# Altium PCB ANTS-PCU-B1.PCBDOC (part 1 of 3) (continued)
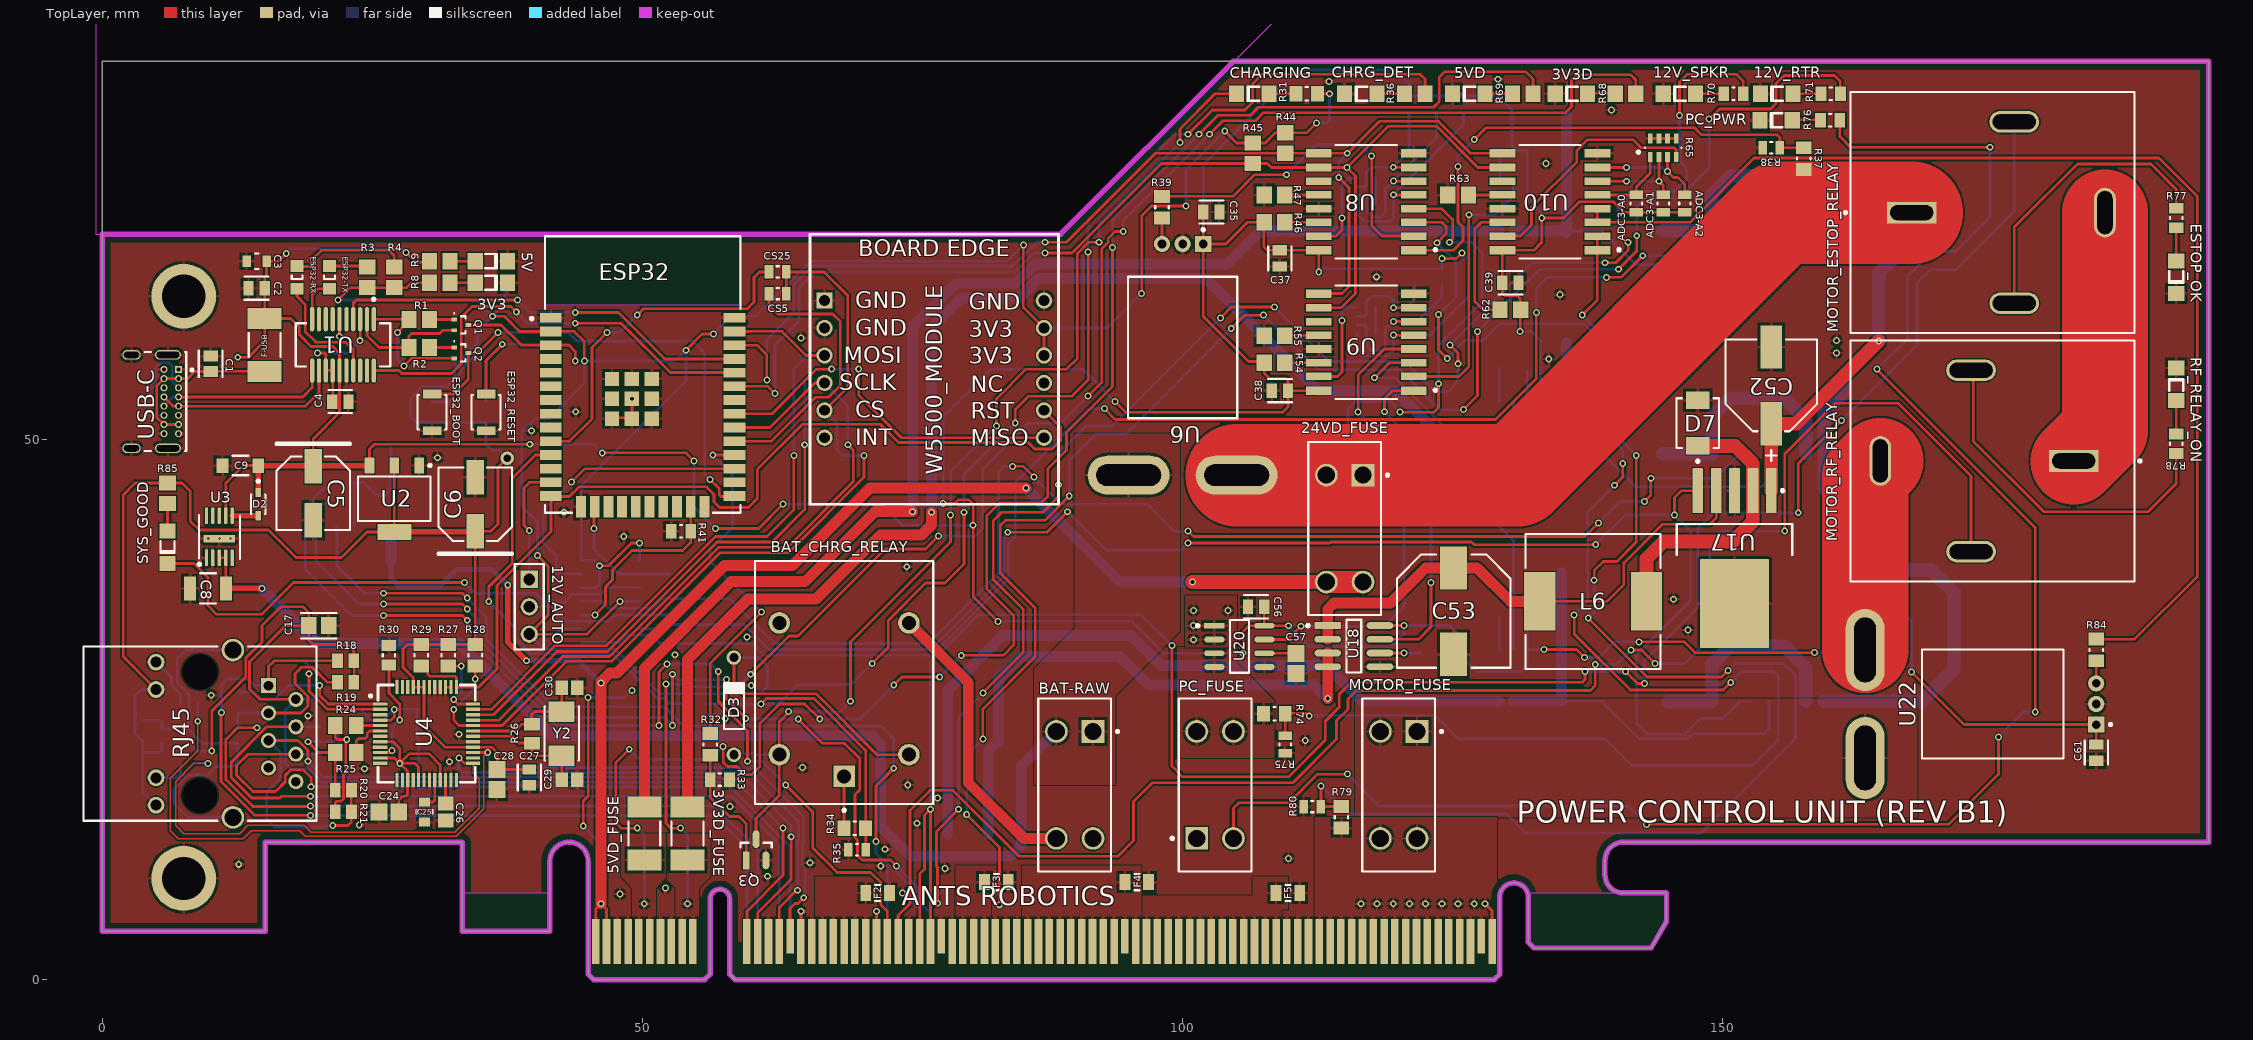
[diagram p0: TopLayer view]
## Components (designator, comment, footprint, x,y, rotation, side; value= is the part's Value field where it differs from the comment) (continued)
PC_PWR "150120YS75000" 1206_A 154.95,79.55 r0 top
Q1 "MMBT2222ATT1G" ONSC-SC-75-3-463-01_V 33.2,60.6 r0 top
Q2 "MMBT2222ATT1G" ONSC-SC-75-3-463-01_V 33.2,58 r0 top
Q3 "MMBT2222A-7-F" FP-SOT23-IPC_A 60.5,12 r90 top
R1 "10K 5% 0805" RESC2013X60X40ML20T25 29.3,61.1 r180 top
R2 "10K 5% 0805" RESC2013X60X40ML20T25 29.3,58.5 r180 top
R3 "330R 5% 0805" RESC2013X60X40ML20T25 24.5,65 r90 top
R4 "330R 5% 0805" RESC2013X60X40ML20T25 27,65 r90 top
R8 "1K 5% 0805" RESC2013X60X40ML20T25 31.2,64.5 r180 top
R9 "1K 5% 0805" RESC2013X60X40ML20T25 31.2,66.5 r180 top
R12 "10K 5% 0805" RESC2013X60X40ML20T25 35.5,52.5 r270 bottom
R13 "10K 5% 0805" RESC2013X60X40ML20T25 30.5,52.5 r270 bottom
R16 "330R 5% 0805" RESC2013X60X35LL10T20 8,20 r0 bottom
R17 "330R 5% 0805" RESC2013X60X35LL10T20 8,25.5 r0 bottom
R18 "49R9 1% 0805" RESC2013X60X40LL20T25 22.5,29.5 r0 top
R19 "49R9 1% 0805" RESC2013X60X40LL20T25 22.5,27.5 r0 top
R20 "49R9 1% 0805" RESC2013X60X40LL20T25 22.275,17.5 r180 top
R21 "49R9 1% 0805" RESC2013X60X40LL20T25 22.275,15.5 r180 top
R22 "3R3 1% 0805" RESC2013X70X40ML20T20 12.5,25.6 r90 bottom
R23 "3R3 1% 0805" RESC2013X70X40ML20T20 16.325,29.5 r0 bottom
R24 "3R3 1% 0805" RESC2013X70X40ML20T20 22.5,23.5 r0 top
R25 "3R3 1% 0805" RESC2013X70X40ML20T20 22.5,21 r0 top
R26 "1M 5% 0805" RESC2013X70X40NL20T20 39.75,22.75 r90 top
R27 "4K7 1% 0805" YAGO-RC0805_M 32,30 r90 top
R28 "4K7 1% 0805" YAGO-RC0805_M 34.5,30 r90 top
R29 "4K7 1% 0805" YAGO-RC0805_M 29.5,30 r90 top
R30 "12K4 1% 0805" RESC2013X60X35NL10T20 26.5,30 r270 top
R31 "1K 1% 0805" RESC2013X60X35ML10T20 111.5,82 r180 top
R32 "1K 1% 0805" RESC2013X60X35ML10T20 56.25,21.75 r270 top
R33 "10K 1% 0805" RESC2013X60X35NL10T20 57.15,18.5 r180 top
R34 "100K 1% 0805" RESC2013X60X35ML10T20 69.65,14 r180 top
R35 "14K 1% 0805" RESC2013X60X35LL10T20 69.85,12 r0 top
R36 "1K 5% 0805" RESC2013X60X40ML20T25 121.5,82 r0 top
R37 "100K 1% 0805" RESC2013X60X35ML10T20 157.5,76 r270 top
R38 "14K 1% 0805" RESC2013X60X35LL10T20 154.5,77 r0 top
R39 "1K 1% 0805" RESC2013X60X35ML10T20 98.09,71.5 r90 top
R40 "10K 1% 0805" RESC2013X60X35NL10T20 42,36.65 r90 bottom
R41 "10K 1% 0805" RESC2013X60X35NL10T20 53.545,41.5 r0 top
R42 "10K 1% 0805" RESC2013X60X35NL10T20 52.5,32.83 r90 bottom
R43 "10K 1% 0805" RESC2013X60X35NL10T20 52.5,38.45 r270 bottom
R44 "10K 5% 0805" RESC2013X60X40ML20T25 109.5,77.445 r90 top
R45 "10K 5% 0805" RESC2013X60X40ML20T25 106.5,76.5 r90 top
R46 "1K 5% 0805" RESC2013X60X40ML20T25 108.5,70.1 r180 top
R47 "10K 5% 0805" RESC2013X60X40ML20T25 108.5,72.635 r180 top
R49 "742C083103JP" FP-742C083-MFG 117,73 r90 bottom
R54 "1K 5% 0805" RESC2013X60X40ML20T25 108.5,57.1 r180 top
R55 "10K 5% 0805" RESC2013X60X40ML20T25 108.5,59.6 r180 top
R57 "742C083103JP" FP-742C083-MFG 117,61 r90 bottom
R62 "1K 5% 0805" RESC2013X60X40ML20T25 130.35,62 r0 top
R63 "10K 5% 0805" RESC2013X60X40ML20T25 125.5,72.635 r180 top
R65 "742C083103JP" FP-742C083-MFG 144.5,77 r0 top
R68 "1K 5% 0805" RESC2013X60X40ML20T25 141,82 r0 top
R69 "1K 5% 0805" RESC2013X60X40ML20T25 131.5,82 r0 top
R70 "10K 1% 0805" RESC2013X60X35NL10T20 151,82 r0 top
R71 "10K 1% 0805" RESC2013X60X35NL10T20 160,82 r0 top
R74 "100K 1% 0805" RESC2013X60X35ML10T20 108.5,24.6 r180 top
R75 "14K 1% 0805" RESC2013X60X35LL10T20 109.5,21.75 r90 top
R76 "10K 1% 0805" RESC2013X60X35NL10T20 159.95,79.55 r180 top
R77 "10K 1% 0805" RESC2013X60X35NL10T20 192,70.5 r90 top
R78 "10K 1% 0805" RESC2013X60X35NL10T20 192,49.6 r270 top
R79 "100K 1% 0805" RESC2013X60X35ML10T20 114.7,15 r270 top
R80 "14K 1% 0805" RESC2013X60X35LL10T20 112,16 r0 top
R81 "0R 1% 0805" RESC2013X60X35LL10T20 22.5,46 r180 bottom
R82 "0R 1% 0805" RESC2013X60X35LL10T20 22.5,44 r180 bottom
R83 "0R 1% 0805" RESC2013X60X35LL10T20 22.5,42 r180 bottom
R84 "1K 1% 0805" RESC2013X60X35ML10T20 184.6,30.5 r90 top
R85 "1K 5% 0805" RESC2013X60X40ML20T25 6,45 r270 top
RF_RELAY_ON "150120GS75000" 1206_A 192,55.1 r270 top
RJ45 "SI-60062-F" BELF-SI-60062-F_V 9,22.75 r270 top
RTR_FUSE "0451003.MRL" FP-0451-MFG 82,11 r270 bottom value=0.0227Ω
Rusb1 "5K1 1% 0603" RESC1608X55X25ML10T15 4,55.525 r270 bottom
Rusb2 "5K1 1% 0603" RESC1608X55X25ML10T15 4,51.475 r90 bottom
SPKR_FUSE "0451003.MRL" FP-0451-MFG 78.25,11 r270 bottom value=0.0227Ω
SYS_GOOD "150120GS75000" 1206_A 6,40 r90 top
U1 "FT231XS-R" FP-SSOP-20-MFG 22.25,58.75 r270 top
U2 "LM1117MP-3.3/NOPB" DCY0004A_L 27,44.5 r270 top
U3 "LMZM23601V5SILR" LMZM23601V5SILR 10.8,40.98 r90 top
U4 "W5500" W5500 30,22.75 r0 top
U5 "SN74LV1T08DBVR" FP-DBV0005A-IPC_B 55,25.5 r180 bottom
U6 "ACS770LCB-100U-PFF-T" ACS770LCB-100U-PFF-T 100,58.5 r180 top
U7 "SN74HC00DR" FP-D0014A-MFG 47,35 r180 bottom
U8 "PCF8591T/2,518" FP-SOT162-1-MFG 117,72 r180 top
U9 "PCF8591T/2,518" FP-SOT162-1-MFG 117,59 r180 top
U10 "PCF8591T/2,518" FP-SOT162-1-MFG 134,72 r180 top
U11 "LM2576HVS-5.0" KTT0005B_L 156,75.5 r90 bottom
U12 "ACS712ELCTR-05B-T" FP-LC-8-IPC_A 130,71.726 r90 bottom
U13 "LM2576HVS-3.3" KTT0005B_M 156,55 r90 bottom
U14 "ACS712ELCTR-05B-T" FP-LC-8-IPC_A 130,51.076 r90 bottom
U15 "LM2576HVS-12/NOPB" KTT0005B_N 156,32 r90 bottom
U16 "ACS712ELCTR-05B-T" FP-LC-8-IPC_A 130,28.166 r90 bottom
U17 "LM2576HVS-12/NOPB" KTT0005B_N 151.1,39 r270 top
U18 "ACS712ELCTR-05B-T" FP-LC-8-IPC_A 115.85,30.85 r0 top
U20 "ACS712ELCTR-20A-T" FP-LC-8-IPC_C 105.25,30.835 r0 top
U21 "L78M12ABDT-TR" TO-252_M 31,44 r0 bottom
U22 "ACS770LCB-100U-PFF-T" ACS770LCB-100U-PFF-T 175,25.5 r90 top
USB-C "USB4085-GF-A" FP-USB4085-GF-A-MFG 3,53.5 r270 top
W5500_MODULE "W5500_MODULE" W5500_MODULE 77,56.5 r0 top
Y2 "ABM3-25.000MHZ-B2-T" ABRA-ABM3_V 42.5,22.75 r90 top

## Footprints (in the part's own frame and the unit in brackets; to place one, negate y for a bottom-side part, rotate by r counter-clockwise, add the part's x,y. Pads: shape width x height; smd on the part's side, far side on the other; paste and mask are expansions set on the pad)
0805_A [mm] "Chip LED, 2-Leads, Body 2.0x1.3mm, IPC Medium Density"
  rect 1.1x1.2 smd: 1(-1.05,0) 2(1.05,0)
  silkscreen extent -0.15,-0.5 0.15,0.5, body extent -1,-0.62 1,0.63, height 0.68
1206_A [mm] "Chip LED, 2-Leads, Body 3.2x1.6mm, IPC Medium Density"
  rect 1.4x1.5 smd: 1(-1.5,0) 2(1.5,0)
  silkscreen extent -0.5,-0.67 0.6,0.65, body extent -1.6,-0.8 1.6,0.8, height 0.68
61300311121 [mm] "Pin Header, pitch 2.54 mm, THT, Vertical, single row, 3p"
  rect 1.6x1.6 hole 1.1: 1(-2.54,0)
  round 1.6 hole 1.1: 2(0,0) 3(2.54,0)
  silkscreen extent -3.96,-1.35 3.96,1.35, body extent -3.81,-1.27 3.81,1.27, height 8.57
ABRA-ABM3_V [mm] "SMD, 2-Leads, Body 5x3.2mm"
  rect 1.9x2.4 smd: 1(-2.05,0) 2(2.05,0)
  silkscreen extent -2.5,-1.6 2.5,1.6, body extent -2.5,-1.6 2.5,1.6, height 1.3
ACS770LCB-100U-PFF-T [mm]
  rect 1.5x1.5 hole 0.8 paste-1000 mask+0: 1(-1.91,-9.59)
  round 1.5 hole 0.8 paste-1000 mask+0: 2(0,-9.59) 3(1.91,-9.59)
  rrect100% 7.6x3.6 hole 2 slot 6 at 0 deg paste-1000 mask+0: 4(5,11.809) 5(-5,11.809)
  silkscreen extent -5.05,-11.04 5.05,6.55, body extent -10.1,-10.44 10.1,14.91, height 0.25
BELF-SI-60062-F_V [mm] "MagJack, 14-Leads, Body 21.59x16.13mm"
  rect 1.4x1.4 hole 0.89: 1(-4.445,6.35)
  round 1.4 hole 0.89: 2(-3.175,8.89) 3(-1.905,6.35) 4(3.175,6.35) 5(-0.635,8.89) 6(0.635,6.35) 7(1.905,8.89) 8(4.445,8.89)
  round 1.55 hole 1.02: 9(-6.625,-4.06) 10(-4.085,-4.06) 11(4.085,-4.06) 12(6.625,-4.06)
  round 2.95 hole 3.25 unplated: MH1(-5.715,0) MH2(5.715,0)
  round 2.1 hole 1.57: S1(-7.745,3.05) S2(7.745,3.05)
  silkscreen extent -8.07,-10.79 8.07,10.8, body extent -8.06,-10.79 8.06,10.8, height 13.84
CAPC2013X71X50LL20T25 [mm] "Chip Capacitor, 2-Leads, Body 2.01x1.25mm, IPC High Density"
  rect 1.15x1.35 smd: 1(-0.725,0) 2(0.725,0)
  body extent -1.1,-0.72 1.1,0.72, height 0.71
CAPC2013X94X50ML20T25 [mm] "Chip Capacitor, 2-Leads, Body 2.01x1.25mm, IPC Low Density"
  rect 1.55x1.55 smd: 1(-0.925,0) 2(0.925,0)
  body extent -1.1,-0.72 1.11,0.72, height 0.94
CAPC2013X94X50NL20T25 [mm] "Chip Capacitor, 2-Leads, Body 2.01x1.25mm, IPC Medium Density"
  rect 1.35x1.45 smd: 1(-0.825,0) 2(0.825,0)
  body extent -1.1,-0.72 1.11,0.72, height 0.94
CAPC2013X135X45LL10T25 [mm] "Chip Capacitor, 2-Leads, Body 2.00x1.25mm, IPC High Density"
  rect 1x1.3 smd: 1(-0.75,0) 2(0.75,0)
  body extent -1.05,-0.67 1.05,0.68, height 1.35
CAPC2013X140X50NL20T25 [mm] "Chip Capacitor, 2-Leads, Body 2.00x1.25mm, IPC Medium Density"
  rect 1.3x1.45 smd: 1(-0.8,0) 2(0.8,0)
  body extent -1.1,-0.72 1.1,0.72, height 1.4
CAPC4532X155X60LL30T35 [mm] "Chip Capacitor, 2-Leads, Body 4.8x3.5mm, IPC High Density"
  rect 1.4x3.4 smd: 1(-1.85,0) 2(1.85,0)
  silkscreen extent -0.75,-1.6 0.75,1.6, body extent -2.4,-1.75 2.4,1.75, height 1.55
CTC-1608_L [mm] "Chip, 2-Leads, Body 1.75x0.95mm, IPC High Density"
  rect 0.67x0.88 smd: 1(-0.665,0) 2(0.665,0)
  body extent -0.87,-0.48 0.87,0.48, height 0.95
DCY0004A_L [mm] "SOT223, 4-Leads, Body 6.7x3.7mm, Pitch 2.3mm, IPC High Density"
  rrect11% 1.45x0.9 smd: 1(-3.075,2.3) 2(-3.075,0) 3(-3.075,-2.3)
  rrect7% 1.45x3.15 smd: 4(3.075,0)
  silkscreen extent -3.2,-3.35 2.05,3.43, body extent -3.5,-3.25 3.5,3.25, height 1.62
FP-0451-MFG [mil]
  rect 77x124 smd paste+0 mask+0: 1(-96.5,0) 2(96.5,0)
  silkscreen extent -43,-58 43,58, body extent -120,-53 120,53, height 116
FP-742C083-MFG [mm]
  rect 0.45x0.9 smd paste+0 mask+0: 1(-1.2,-0.85) 2(-0.4,-0.85) 3(0.4,-0.85) 4(1.2,-0.85) 5(1.2,0.85) 6(0.4,0.85) 7(-0.4,0.85) 8(-1.2,0.85)
  silkscreen extent -2.42,-0.52 1.7,0.03, body extent -1.6,-0.8 1.6,0.8, height 0.7
FP-B3U-1000P-MFG [mm]
  rect 0.8x1.7 smd paste+0 mask+0: 1(-1.7,0) 2(1.7,0)
  silkscreen extent -1.6,-1.35 1.6,1.35, body extent -2.2,-1.45 2.2,1.45, height 0.25
FP-BAT20JFILM-MFG [mm]
  rect 0.86x0.54 smd paste+0 mask+0: 1(-1.07,0) 2(1.07,0)
  silkscreen extent -2.25,-0.67 0.9,0.67, body extent -1.26,-0.61 1.26,0.62, height 1.13
FP-C0805C-DG-MFG [mm]
  rect 0.95x1.35 smd paste+0 mask+0: 1(-0.75,0) 2(0.75,0)
  silkscreen extent -1.11,-1.08 1.1,1.07, body extent -1,-0.62 1,0.63, height 1.4
FP-C0805C-DN-MFG [mm]
  rect 0.95x1.35 smd paste+0 mask+0: 1(-0.75,0) 2(0.75,0)
  silkscreen extent -1.1,-1.07 1.1,1.07, body extent -1.4,-0.85 1.4,0.85, height 0.25
FP-C2012-125-MFG [mm]
  rect 0.8x1.05 smd paste+0 mask+0: 1(-0.925,0) 2(0.925,0)
  silkscreen extent -0.15,-0.72 0.15,0.72, body extent -1.43,-0.82 1.43,0.82, height 0.25
FP-C3216-160-0_2-MFG [mm]
  rect 1.1x1.35 smd paste+0 mask+0: 1(-1.65,0) 2(1.65,0)
  silkscreen extent -0.72,-0.9 0.72,0.9, body extent -1.6,-0.8 1.6,0.8, height 1.8
FP-C3225-250-0_4-MFG [mm]
  rect 1.1x2.2 smd paste+0 mask+0: 1(-1.65,0) 2(1.65,0)
  silkscreen extent -0.72,-1.4 0.72,1.4, body extent -1.6,-1.25 1.6,1.25, height 2.8
FP-CB1AHF-P-12V-MFG [mm]
  rect 4.6x2 hole 1.4 slot 4 at 0 deg paste-1000 mask+0: 30(7.5,0)
  rrect100% 4.6x2 hole 1.4 slot 4 at 0 deg paste-1000 mask+0: 85(-2,-8.4) 86(-2,8.4)
  rrect100% 2x4.6 hole 4 slot 1.4 at 0 deg paste-1000 mask+0: 87(-10.4,0)
  silkscreen extent -13.15,-11.15 13.75,11.15, body extent -13.25,-11.25 13.25,11.25, height 0.25
FP-CL21-IPC_A [mm]
  rect 1.455x1.556 smd paste+0 mask+0: 1(-0.926,0) 2(0.926,0)
  silkscreen extent -1.65,-1.18 1.65,1.18, body extent -2.15,-1.28 2.15,1.28, height 0.25
FP-D0014A-MFG [mm]
  rect 1.55x0.6 smd paste-1000 mask+0: 1(-2.7,3.81) 2(-2.7,2.54) 3(-2.7,1.27) 4(-2.7,0) 5(-2.7,-1.27) 6(-2.7,-2.54) 7(-2.7,-3.81) 8(2.7,-3.81) 9(2.7,-2.54) 10(2.7,-1.27) 11(2.7,0) 12(2.7,1.27) 13(2.7,2.54) 14(2.7,3.81)
  silkscreen extent -4.15,-4.38 1.55,4.38, body extent -3,-4.32 3,4.33, height 1.75
FP-DBV0005A-IPC_B [mm]
  rect 1.505x0.572 smd paste+0 mask+0: 1(-1.1,0.95)
  rrect100% 1.505x0.572 smd paste+0 mask+0: 2(-1.1,0) 3(-1.1,-0.95) 4(1.1,-0.95) 5(1.1,0.95)
  silkscreen extent -2.65,-1.7 1.4,1.7, body extent -1.4,-1.45 1.4,1.45, height 1.45
FP-EEE-FK1H101P-MFG [mm]
  rect 4x2 smd paste+0 mask+0: 1(-3.55,0) 2(3.55,0)
  silkscreen extent -4.25,-4.25 7,4.25, body extent -4.15,-4.95 4.15,4.95, height 10.82
FP-ESP32-WROOM-32D-MFG [mm]
  rect 2x0.9 smd paste+0 mask+0: 1(-8.5,5.26) 2(-8.5,3.99) 3(-8.5,2.72) 4(-8.5,1.45) 5(-8.5,0.18) 6(-8.5,-1.09) 7(-8.5,-2.36) 8(-8.5,-3.63) 9(-8.5,-4.9) 10(-8.5,-6.17) 11(-8.5,-7.44) 12(-8.5,-8.71) 13(-8.5,-9.98) 14(-8.5,-11.25) 25(8.5,-11.25) 26(8.5,-9.98) 27(8.5,-8.71) 28(8.5,-7.44) 29(8.5,-6.17) 30(8.5,-4.9) 31(8.5,-3.63) 32(8.5,-2.36) 33(8.5,-1.09) 34(8.5,0.18) 35(8.5,1.45) 36(8.5,2.72) 37(8.5,3.99) 38(8.5,5.26)
  rect 0.9x2 smd paste+0 mask+0: 15(-5.715,-12.25) 16(-4.445,-12.25) 17(-3.175,-12.25) 18(-1.905,-12.25) 19(-0.635,-12.25) 20(0.635,-12.25) 21(1.905,-12.25) 22(3.175,-12.25) 23(4.445,-12.25) 24(5.715,-12.25)
  rect 1.33x1.33 smd paste+0 mask+0: 39(-2.835,-4.075) 39(-2.835,-2.24) 39(-2.835,-0.405) 39(-1,-4.075) 39(-1,-2.24) 39(-1,-0.405) 39(0.835,-4.075) 39(0.835,-2.24) 39(0.835,-0.405)
  KeepOutLayer region: -9,6.45 9,6.45 9,12.75 -9,12.75
  KeepOutLayer region: -9,6.45 9,6.45 9,12.75 -9,12.75
  silkscreen extent -10.4,-12.8 9.05,12.8, body extent -9.6,-13.35 9.6,12.9, height 0.25
FP-G5LE-14-DC5-MFG [mm]
  rect 2x2 hole 1.3 paste-1000 mask+0: 1(-8.7,0)
  round 2 hole 1.3 paste-1000 mask+0: 2(-6.7,-6) 3(5.5,-6) 4(5.5,6) 5(-6.7,6)
  silkscreen extent -11.97,-8.25 11.25,8.25, body extent -11.35,-8.35 11.35,8.35, height 0.25
FP-GRM21B-0_1-IPC_C [mm]
  rect 0.958x1.262 smd paste+0 mask+0: 1(-0.727,0) 2(0.727,0)
  silkscreen extent -1.21,-1.07 1.21,1.07, body extent -1,-0.63 1,0.63, height 1.35
FP-GRM21B-0_15-IPC_C [mm]
  rect 1.006x1.308 smd paste+0 mask+0: 1(-0.726,0) 2(0.726,0)
  silkscreen extent -1.23,-1.1 1.23,1.1, body extent -1.33,-0.8 1.33,0.8, height 0.25
FP-LC-8-IPC_A [mm]
  rect 2.474x0.622 smd paste+0 mask+0: 1(-2.416,1.905)
  rrect100% 2.474x0.622 smd paste+0 mask+0: 2(-2.416,0.635) 3(-2.416,-0.635) 4(-2.416,-1.905) 5(2.416,-1.905) 6(2.416,-0.635) 7(2.416,0.635) 8(2.416,1.905)
  silkscreen extent -4.37,-2.45 0.68,2.45, body extent -3,-2.45 3,2.45, height 1.75
FP-LC-8-IPC_C [mm]
  rect 1.874x0.542 smd paste+0 mask+0: 1(-2.316,1.905)
  rrect100% 1.874x0.542 smd paste+0 mask+0: 2(-2.316,0.635) 3(-2.316,-0.635) 4(-2.316,-1.905) 5(2.316,-1.905) 6(2.316,-0.635) 7(2.316,0.635) 8(2.316,1.905)
  silkscreen extent -3.97,-2.45 0.88,2.45, body extent -3.35,-2.55 3.35,2.55, height 0.25
FP-MF-PSMF-MFG [mm]
  rect 1x1.5 smd paste+0 mask+0: 1(-1.1,0) 2(1.1,0)
  silkscreen extent -0.23,-0.75 0.23,0.75, body extent -1.7,-0.85 1.7,0.85, height 0.25
FP-SMB-MFG [mm]
  rect 1.62x2.18 smd paste+0 mask+0: 1(-2.11,0) 2(2.11,0)
  silkscreen extent -3.65,-1.97 2.3,1.97, body extent -2.67,-1.81 2.68,1.81, height 2.65
FP-SOT23-IPC_A [mm]
  rect 1.659x0.627 smd paste+0 mask+0: 1(-0.977,0.915)
  rrect100% 1.659x0.627 smd paste+0 mask+0: 2(-0.977,-0.915) 3(0.977,0)
  silkscreen extent 0.23,-1.45 0.65,1.45, body extent -2.31,-1.95 2.31,1.95, height 0.25
FP-SOT162-1-MFG [mm]
  rect 2.4x0.8 smd paste+0 mask+0: 1(-4.4,4.495) 8(-4.4,-4.495) 9(4.4,-4.495) 16(4.4,4.495)
  rect 2.4x0.7 smd paste+0 mask+0: 2(-4.4,3.175) 3(-4.4,1.905) 4(-4.4,0.635) 5(-4.4,-0.635) 6(-4.4,-1.905) 7(-4.4,-3.175) 10(4.4,-3.175) 11(4.4,-1.905) 12(4.4,-0.635) 13(4.4,0.635) 14(4.4,1.905) 15(4.4,3.175)
  silkscreen extent -6.53,-5.25 2.83,5.25, body extent -5.72,-5.95 5.72,5.95, height 0.25
FP-SSOP-20-MFG [mm]
  rrect100% 2.25x0.4 smd paste+0 mask+0: 1(-2.375,2.857) 2(-2.375,2.222) 3(-2.375,1.587) 4(-2.375,0.952) 5(-2.375,0.317) 6(-2.375,-0.318) 7(-2.375,-0.953) 8(-2.375,-1.588) 9(-2.375,-2.223) 10(-2.375,-2.858) 11(2.375,-2.857) 12(2.375,-2.222) 13(2.375,-1.587) 14(2.375,-0.952) 15(2.375,-0.317) 16(2.375,0.318) 17(2.375,0.953) 18(2.375,1.588) 19(2.375,2.223) 20(2.375,2.858)
  silkscreen extent -4.34,-4.37 1.99,4.37, body extent -3.6,-4.62 3.6,4.62, height 0.25
FP-USB4085-GF-A-MFG [mm]
  rrect100% 0.9x2.4 hole 2.1 slot 0.6 at 0 deg paste-1000 mask+0: 1(-4.325,3.045) 2(4.325,3.045)
  rrect100% 0.9x1.7 hole 1.4 slot 0.6 at 0 deg paste-1000 mask+0: 3(-4.325,-0.335) 4(4.325,-0.335)
  rect 0.65x0.65 hole 0.4 paste-1000 mask+0: A1(-2.975,4.025)
  round 0.65 hole 0.4 paste-1000 mask+0: A4(-2.125,4.025) A5(-1.275,4.025) A6(-0.425,4.025) A7(0.425,4.025) A8(1.275,4.025) A9(2.125,4.025) A12(2.975,4.025) B1(2.975,2.675) B4(2.125,2.675) B5(1.275,2.675) B6(0.425,2.675) B7(-0.425,2.675) B8(-1.275,2.675) B9(-2.125,2.675) B12(-2.975,2.675)
  silkscreen extent -4.57,0.89 4.57,5.4, body extent -4.87,-4.83 4.87,4.83, height 0.25
KSTN-3568_V [mm] "THD, 4-Leads, Body 16x6.73mm, Pitch 9.9mm"
  rect 2.1x2.1 hole 1.6: 1(-4.95,1.7)
  round 2.1 hole 1.6: 2(-4.95,-1.7) 3(4.95,1.7) 4(4.95,-1.7)
  silkscreen extent -8,-3.36 8,4.09, body extent -8,-3.37 8,3.37, height 7.44
KTT0005B_L [mm] "DPAK, 5-Leads, Body 10.65x9.65mm, Pitch 1.7mm, IPC High Density"
  rrect11% 3.85x0.95 smd: 1(-6.2,3.4) 2(-6.2,1.7) 3(-6.2,0) 4(-6.2,-1.7) 5(-6.2,-3.4)
  rrect2% 7.9x6.4 smd: 6(4.15,0)
  silkscreen extent -6.32,-5.35 -0.2,5.35, body extent -3.2,-5.32 6.45,5.33, height 4.83
KTT0005B_M [mm] "DPAK, 5-Leads, Body 10.65x9.65mm, Pitch 1.7mm, IPC Low Density"
  rrect10% 4.45x1.05 smd: 1(-6.3,3.4) 2(-6.3,1.7) 3(-6.3,0) 4(-6.3,-1.7) 5(-6.3,-3.4)
  rrect2% 8.5x6.45 smd: 6(4.25,0)
  silkscreen extent -6.42,-5.35 -0.4,5.35, body extent -3.1,-5.32 6.55,5.33, height 4.83
KTT0005B_N [mm] "DPAK, 5-Leads, Body 10.65x9.65mm, Pitch 1.7mm, IPC Medium Density"
  rrect10% 4.15x1 smd: 1(-6.25,3.4) 2(-6.25,1.7) 3(-6.25,0) 4(-6.25,-1.7) 5(-6.25,-3.4)
  rrect2% 8.2x6.4 smd: 6(4.2,0)
  silkscreen extent -6.37,-5.35 -0.3,5.35, body extent -3.15,-5.32 6.5,5.33, height 4.83
LMZM23601V5SILR [mm]
  rrect33% 1.5x0.3 smd paste+0 mask+0: 1(-1.95,1.2) 2(-1.95,0.6) 3(-1.95,0) 4(-1.95,-0.6) 5(-1.95,-1.2) 6(1.95,-1.2) 7(1.95,-0.6) 8(1.95,0) 9(1.95,0.6) 10(1.95,1.2)
  rrect14% 0.7x2.9 smd paste-1000 mask+0: 11(-0.175,0)
  silkscreen extent -2.67,-1.9 2,1.97, body extent -1.9,-1.5 1.9,1.5, height 1.58
NIC-CAPA2-10X10_V [mm] "Aluminum Electrolytic Capacitor, Diameter 10mm, Height 10.8mm, Pitch 8mm"
  rect 4x2.5 smd: 1(-4,0) 2(4,0)
  silkscreen extent -5.25,-5.25 5.25,5.25, body extent -5,-5 5,5, height 10.8
NXP-SOD27-2_V [mm] "SOD27, 2-Leads, Dia 1.85mm, Body Length 4.25mm, Pin Spacing 9mm"
  round 1.35 hole 0.85: 1(-4.5,0) 2(4.5,0)
  silkscreen extent -2.12,-0.92 2.13,0.93, body extent -4.78,-0.92 4.78,0.92, height 1.84
ONSC-SC-75-3-463-01_V [mil] "SOT23, 3-Leads, Body 1.6x0.8mm, Pitch 0.5mm"
  rect 20x14.02 smd: 1(-25.49,19.68) 2(-25.49,-19.69) 3(25.49,0)
  silkscreen extent -27,-31 16,44, body extent -16,-31 16,31, height 35
PCIeX16 [mm]
  rect 0.7x3.2 smd far side: A1(45.65,4)
  rect 0.7x4.2 smd far side: A2(46.65,3.5) A3(47.65,3.5) A4(48.65,3.5) A5(49.65,3.5) A6(50.65,3.5) A7(51.65,3.5) A8(52.65,3.5) A9(53.65,3.5) A10(54.65,3.5) A13(59.65,3.5) A14(60.65,3.5) A15(61.65,3.5) A16(62.65,3.5) A17(63.65,3.5) A18(64.65,3.5) A19(65.65,3.5) A20(66.65,3.5) A21(67.65,3.5) A22(68.65,3.5) A23(69.65,3.5) A24(70.65,3.5) A25(71.65,3.5) A26(72.65,3.5) A27(73.65,3.5) A28(74.65,3.5) A29(75.65,3.5) A30(76.65,3.5) A31(77.65,3.5) A32(78.65,3.5) A33(79.65,3.5) A34(80.65,3.5) A35(81.65,3.5) A36(82.65,3.5) A37(83.65,3.5) A38(84.65,3.5) A39(85.65,3.5) A40(86.65,3.5) A41(87.65,3.5) A42(88.65,3.5) A43(89.65,3.5) A44(90.65,3.5) A45(91.65,3.5) A46(92.65,3.5) A47(93.65,3.5) A48(94.65,3.5) A49(95.65,3.5) A50(96.65,3.5) A51(97.65,3.5) A52(98.65,3.5) A53(99.65,3.5) A54(100.65,3.5) A55(101.65,3.5) A56(102.65,3.5) A57(103.65,3.5) A58(104.65,3.5) A59(105.65,3.5) A60(106.65,3.5) A61(107.65,3.5) A62(108.65,3.5) A63(109.65,3.5) A64(110.65,3.5) A65(111.65,3.5) A66(112.65,3.5) A67(113.65,3.5) A68(114.65,3.5) A69(115.65,3.5) A70(116.65,3.5) A71(117.65,3.5) A72(118.65,3.5) A73(119.65,3.5) A74(120.65,3.5) A75(121.65,3.5) A76(122.65,3.5) A77(123.65,3.5) A78(124.65,3.5) A79(125.65,3.5) A80(126.65,3.5) A81(127.65,3.5) A82(128.65,3.5)
  rect 0.7x4.2 smd: B1(45.65,3.5) B2(46.65,3.5) B3(47.65,3.5) B4(48.65,3.5) B5(49.65,3.5) B6(50.65,3.5) B7(51.65,3.5) B8(52.65,3.5) B9(53.65,3.5) B10(54.65,3.5) B13(59.65,3.5) B14(60.65,3.5) B15(61.65,3.5) B16(62.65,3.5) B18(64.65,3.5) B19(65.65,3.5) B20(66.65,3.5) B21(67.65,3.5) B22(68.65,3.5) B23(69.65,3.5) B24(70.65,3.5) B25(71.65,3.5) B26(72.65,3.5) B27(73.65,3.5) B28(74.65,3.5) B29(75.65,3.5) B30(76.65,3.5) B32(78.65,3.5) B33(79.65,3.5) B34(80.65,3.5) B35(81.65,3.5) B36(82.65,3.5) B37(83.65,3.5) B38(84.65,3.5) B39(85.65,3.5) B40(86.65,3.5) B41(87.65,3.5) B42(88.65,3.5) B43(89.65,3.5) B44(90.65,3.5) B45(91.65,3.5) B46(92.65,3.5) B47(93.65,3.5) B49(95.65,3.5) B50(96.65,3.5) B51(97.65,3.5) B52(98.65,3.5) B53(99.65,3.5) B54(100.65,3.5) B55(101.65,3.5) B56(102.65,3.5) B57(103.65,3.5) B58(104.65,3.5) B59(105.65,3.5) B60(106.65,3.5) B61(107.65,3.5) B62(108.65,3.5) B63(109.65,3.5) B64(110.65,3.5) B65(111.65,3.5) B66(112.65,3.5) B67(113.65,3.5) B68(114.65,3.5) B69(115.65,3.5) B70(116.65,3.5) B71(117.65,3.5) B72(118.65,3.5) B73(119.65,3.5) B74(120.65,3.5) B75(121.65,3.5) B76(122.65,3.5) B77(123.65,3.5) B78(124.65,3.5) B79(125.65,3.5) B80(126.65,3.5) B82(128.65,3.5)
  rect 0.7x3.2 smd: B17(63.65,4) B31(77.65,4) B48(94.65,4) B81(127.65,4)
PNSC-FK-V-D_V [mm] "CAPAE, 2-Leads, Body 6.80x6.80mm"
  rect 3.2x1.6 smd: 1(-2.5,0) 2(2.5,0)
  silkscreen extent -4.6,-3.4 3.4,3.4, body extent -3.9,-3.4 3.9,3.4, height 6.1
RESC1608X55X25ML10T15 [mm] "Chip Resistor, 2-Leads, Body 1.60x0.80mm, IPC Low Density"
  rect 0.8x1 smd: 1(-0.75,0) 2(0.75,0)
  body extent -0.85,-0.45 0.85,0.45, height 0.55
RESC2013X60X35LL10T20 [mm] "Chip Resistor, 2-Leads, Body 2.1x1.35mm, IPC High Density"
  rect 0.8x1.25 smd: 1(-0.8,0) 2(0.8,0)
  silkscreen extent -0.1,-0.53 0.1,0.53, body extent -1.05,-0.67 1.05,0.68, height 0.6
RESC2013X60X35ML10T20 [mm] "Chip Resistor, 2-Leads, Body 2.1x1.35mm, IPC Low Density"
  rect 1.2x1.45 smd: 1(-1,0) 2(1,0)
  silkscreen extent -0.1,-0.63 0.1,0.63, body extent -1.05,-0.68 1.05,0.67, height 0.6
RESC2013X60X35NL10T20 [mm] "Chip Resistor, 2-Leads, Body 2.00x1.25mm, IPC Medium Density"
  rect 1x1.35 smd: 1(-0.9,0) 2(0.9,0)
  silkscreen extent -0.1,-0.58 0.1,0.58, body extent -1.05,-0.67 1.05,0.67, height 0.6
RESC2013X60X40LL20T25 [mm] "Chip Resistor, 2-Leads, Body 2.00x1.25mm, IPC High Density"
  rect 1x1.35 smd: 1(-0.75,0) 2(0.75,0)
  body extent -1.1,-0.72 1.1,0.72, height 0.6
RESC2013X60X40ML20T25 [mm] "Chip Resistor, 2-Leads, Body 2.00x1.25mm, IPC Low Density"
  rect 1.4x1.55 smd: 1(-0.95,0) 2(0.95,0)
  body extent -1.1,-0.72 1.1,0.72, height 0.6
RESC2013X70X40ML20T20 [mm] "Chip Resistor, 2-Leads, Body 2.00x1.25mm, IPC Low Density"
  rect 1.35x1.55 smd: 1(-0.975,0) 2(0.975,0)
  body extent -1.1,-0.72 1.1,0.72, height 0.7
RESC2013X70X40NL20T20 [mm] "Chip Resistor, 2-Leads, Body 2.2x1.35mm, IPC Medium Density"
  rect 1.15x1.45 smd: 1(-0.875,0) 2(0.875,0)
  body extent -1.1,-0.72 1.1,0.72, height 0.7
SMTC-TSM-104-01-X-DV [mm] "Double Row Gullwing ASM, 2x4 Pins, Vertical, 2.54mm Pitch, Male"
  rect 1.27x3.68 smd: 1(-3.81,-2.475) 2(-3.81,2.475) 3(-1.27,-2.475) 4(-1.27,2.475) 5(1.27,-2.475) 6(1.27,2.475) 7(3.81,-2.475) 8(3.81,2.475)
  silkscreen extent -5.84,-2.66 5.08,2.54, body extent -5.08,-3.68 5.08,3.68, height 9.65
TO-252_M [mm] "D-PAK, 4-Leads, Body 6.1x6.5mm, Pitch 2.28mm, Lead Span 9.7mm, IPC Low Density"
  rect 2.4x1 smd: 1(-4.3,2.28) 3(-4.3,-2.28)
  rect 6.8x5.55 smd: 4(2.1,0)
  silkscreen extent -4.42,-3.3 -1.7,3.45, body extent -1.95,-3.3 4.25,3.3, height 2.4
VISH-IHLP4040DZER101M11_V [mm] "Molded Inductor, 2-Leads, Body 10.30x10.30mm"
  rect 3.124x3.251 smd: 1(-4.47,0) 2(4.471,0)
  silkscreen extent -5.15,-5.15 5.15,5.15, body extent -5.37,-5.15 5.37,5.15, height 4
W5500 [mm]
  rect 1.3x0.3 smd mask+0.05: 1(-4.3,2.75) 2(-4.3,2.25) 3(-4.3,1.75) 4(-4.3,1.25) 5(-4.3,0.75) 6(-4.3,0.25) 7(-4.3,-0.25) 8(-4.3,-0.75) 9(-4.3,-1.25) 10(-4.3,-1.75) 11(-4.3,-2.25) 12(-4.3,-2.75) 25(4.3,-2.75) 26(4.3,-2.25) 27(4.3,-1.75) 28(4.3,-1.25) 29(4.3,-0.75) 30(4.3,-0.25) 31(4.3,0.25) 32(4.3,0.75) 33(4.3,1.25) 34(4.3,1.75) 35(4.3,2.25) 36(4.3,2.75)
  rect 0.3x1.3 smd mask+0.05: 13(-2.75,-4.3) 14(-2.25,-4.3) 15(-1.75,-4.3) 16(-1.25,-4.3) 17(-0.75,-4.3) 18(-0.25,-4.3) 19(0.25,-4.3) 20(0.75,-4.3) 21(1.25,-4.3) 22(1.75,-4.3) 23(2.25,-4.3) 24(2.75,-4.3) 37(2.75,4.3) 38(2.25,4.3) 39(1.75,4.3) 40(1.25,4.3) 41(0.75,4.3) 42(0.25,4.3) 43(-0.25,4.3) 44(-0.75,4.3) 45(-1.25,4.3) 46(-1.75,4.3) 47(-2.25,4.3) 48(-2.75,4.3)
  silkscreen extent -5.31,-4.5 4.5,4.5, body extent -4.5,-4.5 4.5,4.5, height 1.5
W5500_MODULE [mm]
  rect 1.5x1.5 hole 1: 1(-10.16,6.35)
  round 1.5 hole 1: 2(-10.16,3.81) 3(-10.16,1.27) 4(-10.16,-1.27) 5(-10.16,-3.81) 6(-10.16,-6.35) 7(10.16,-6.35) 8(10.16,-3.81) 9(10.16,-1.27) 10(10.16,1.27) 11(10.16,3.81) 12(10.16,6.35)
  silkscreen extent -11.5,-12.5 11.5,12.5
WE-PD-XXL [mm] "SMD Inductor, 2-Leads, Body 12.0 x 12.0 mm"
  rect 2.9x5.4 smd: 1(-4.95,0) 2(4.95,0)
  silkscreen extent -6.25,-6.25 6.25,6.25, body extent -6,-6 6,6, height 10.36
YAGO-RC0805_M [mm] "Chip Resistor, 2-Leads, Body 2.00x1.25mm, IPC Low Density"
  rect 1.2x1.45 smd: 1(-1,0) 2(1,0)
  silkscreen extent -0.1,-0.63 0.1,0.63, body extent -1,-0.62 1,0.63, height 0.6

## Part data
3V3 3V3D 5V 5VD 12V_RTR 12V_SPKR CHRG_DET ESTOP_OK RF_RELAY_ON SYS_GOOD: library part CMP-1426-00014-1, "SMD mono-color Chip LED, WL-SMCW, Green", Color=Green, Manufacturer="Wuerth Elektronik", ComponentLink1Description="Manufacturer URL", ComponentLink1URL=http://www.we-online.com, ComponentLink2Description=Datasheet, ComponentLink2URL=http://katalog.we-online.com/led/datasheet/150120GS75000.pdf, PackageReference=1206_A, PartNumber=150120GS75000
3V3D_FUSE 5VD_FUSE RTR_FUSE SPKR_FUSE: library part CMP-08605-000063-1, "FUSE BRD MNT 3A 125VAC/VDC 2SMD", Fuse Current=3A, Fuse Interrupt Ac Current=50A, Manufacturer="Littelfuse Inc", Max Fuse Ac Voltage=125V, Package=0451, Resistance=0.0227Ω, Temperature="-55°C to +125°C", Temperature Range High=+125°C, Temperature Range Low=-55°C, Automotive=No, Category=Fuse, ComponentLink2Description=Datasheet, ComponentLink2URL=https://www.littelfuse.com/~/media/electronics/datasheets/fuses/littelfuse_fuse_451_453_datasheet.pdf.pdf, Device Class L1="Circuit Protection", Device Class L2=Fuses, Device Class L3=unset, Digikey Description="FUSE BRD MNT 3A 125VAC/VDC 2SMD", Fuse Blow Speed=Fast, Fuse I2T=1.65A2Sec, Fuse Interrupt Dc Current=50A, Height=2.94mm, Lead Free=Yes, Manufacturer Part Number=0451003.MRL, Max Fuse Dc Voltage=125V, Mouser Description="Surface Mount Fuses 125V 3A", Octopart=https://octopart.com/0451003.mrl-littelfuse-566380, RoHS=TRUE, Voltage Rating=125V
12V_AUTO: library part CMP-1502-01062-1, "THT Vertical Pin Header WR-PHD, Pitch 2.54 mm, Single Row, 3 pins", Contact Resistance=20mOhm, Manufacturer="Wurth Elektronik", Operating Temperature=-40to105degC, Rated Current=3A, Withstanding Voltage=500VAC, Working Voltage=250VAC, Datasheet URL=https://katalog.we-online.de/em/datasheet/6130xx11121.pdf, Gender=Male, Manufacturer URL=http://www.we-online.de, Mounting Technology=THT, Orientation=Vertical, Package Reference=61300311121, Packaging=Bag, Part Number=61300311121, Pin Number=3, Pitch=2.54mm, Publisher=WurthElektronik, Row Number=Single
24VD_FUSE BAT-RAW MOTOR_FUSE PC_FUSE: library part CMP-2000-05464-1, "Fuse Holder, 20 A, 500 V, -50 to 145 degC, 4-Pin THD, RoHS", Manufacturer=Keystone, Package Description="4-Pin Through Hole Device, Body 16 x 6.73 mm, Pitch 9.9 mm", Datasheet URL=https://datasheet.ciiva.com/16294/m60-2p40-16294706.pdf, Datasheet Version=04/2013, Manufacturer URL=http://www.keyelco.com/, Mounting Technology=ThroughHole, Package Reference=3568
ADC1-A0 ADC1-A1 ADC1-A2 ADC2-A0 ADC2-A1 ADC2-A2 ADC3-A0 ADC3-A1 ADC3-A2 CS5 CS25 R81 R82 R83: library part CMP-1659-00014-4, "Chip Resistor, 1 Ohm, +/- 1%, 125 mW, -55 to 155 degC, 0805 (2012 Metric), RoHS, Tape and Reel", Manufacturer=Yageo, Max Operating Temperature="155 degC", Min Operating Temperature="-55 degC", Package Quantity=5000, Voltage Rating="150 V", ComponentLink1Description="Manufacturer URL", ComponentLink1URL=http://www.yageo.com/, ComponentLink2Description=Datasheet, ComponentLink2URL=http://www.yageo.com/documents/recent/PYu-RC_Group_51_RoHS_L_04.pdf, DatasheetVersion="Rev. 4, 02/2016", Height="0.5 mm", Length="2 mm", Mount="Surface Mount", Mounting Technology="Surface Mount", PackageDescription="2-Pin Surface Mounted Device, Body 2 x 1.25 mm", PackageReference=0805, Packaging="Tape and Reel", Pins=2, REACH SVHC="No SVHC", RoHSCompliant=true
"ANTS ROBOTICS": "Golden finger, PCIeX16, Dual, Opposite, Pitch 1mm, 164-Position"
BAT_CHRG_RELAY: library part CMP-08822-000008-1, "RELAY GEN PURPOSE SPDT 10A 5V", Ambient Temperature Range High=+85°C, Ambient Temperature Range Low=-25°C, Coil Current=79.4mA, Coil Power=400mW, Coil Resistance=63Ω, Coil Voltage=5V, Current Rating=10A, Manufacturer=Omron, Manufacturer Part Number=G5LE-14-DC5, Package=0, Temperature="-25°C to +85°C", Automotive=No, Category=Relay, Coil Type=Non-Latching, ComponentLink2Description=Datasheet, ComponentLink2URL=https://omronfs.omron.com/en_US/ecb/products/pdf/en-g5le.pdf, Device Class L1=Electromechanical, Device Class L2=Relays, Device Class L3="Power Relays", Digikey Description="RELAY GEN PURPOSE SPDT 10A 5V", Height=19mm, Lead Free=Yes, Mouser Description="General Purpose Relays Power PCB Relay SPDT Sealed 5VDC", Number Of Contacts=1, Octopart=https://octopart.com/g5le-14-dc5-omron-28829, RoHS=TRUE, Standoff Height=0.5mm, Switching Current=10A, Temperature Range High=+85°C, Temperature Range Low=-25°C, Throw Configuration=SPDT
C1: library part CMP-2007-03541-2, "Chip Multilayer Ceramic Capacitors for General Purpose, 0805, 10uF, X5R, 15%, 10%, 25V", Capacitance=10uF, Case Code (Imperial)=0805, Case Code (Metric)=2012, Dielectric=X5R, Max Operating Temperature=85°C, Min Operating Temperature=-55°C, Package Quantity=1, Tolerance=10%, Voltage=25V, Case/Package=0805, Depth=1.25mm, Height=1.25mm, Lead Free="Lead Free", Length=2mm, Material=Ceramic, Mount="Surface Mount", Packaging="Tape and Reel", Radiation Hardening=No, Termination=SMD/SMT, Thickness=0.053inch, Voltage Rating=25V, Voltage Rating (DC)=25V, Width=0.049inch
C2 C4 C31 C32 C35 C36 C37 C38 C39 C42 C46 C50 C54 C56 C61: library part CMP-2007-00279-2, "CAP CER 0.1UF 50V X7R 0805", Capacitance="0.10 μF", Manufacturer=KEMET, Manufacturer Part Number=C0805C104K5RACTU, Package=C0805C-DN, Temperature="-55°C to +125°C", Temperature Characteristic=X7R, Temperature Coefficient=30ppm/°C, Temperature Range High=+125°C, Temperature Range Low=-55°C, Tolerance=0.1, Voltage Rating="50 V", Automotive=No, Category=Cap, ComponentLink2Description=Datasheet, ComponentLink2URL=https://content.kemet.com/datasheets/KEM_C1003_C0G_SMD.pdf, Device Class L1="Passive Components", Device Class L2=Capacitors, Device Class L3="Ceramic Capacitors", Digikey Description="CAP CER 0.1UF 50V X7R 0805", Height=0.88mm, Ipc Land Pattern Name=CAPC200125X78, Lead Free=Yes, Material=Ceramic, Mouser Description="Cap Ceramic 0.1uF 50V X7R 10% SMD 2.0 x 1.2 mm 125 C Paper T/R", Octopart=https://octopart.com/c0805c104k5ractu-kemet-143926, RoHS=TRUE
C3 C25: library part CMP-08246-000007-1, "CAP CER 4.7UF 50V X5R 0805", Capacitance=4.7uF, Manufacturer="TDK Corporation", Manufacturer Part Number=C2012X5R1H475K125AB, Package=C2012-125, Temperature="-55°C to +85°C", Temperature Characteristic=X5R, Temperature Coefficient=15%, Temperature Range High=+85°C, Temperature Range Low=-55°C, Tolerance=10%, Voltage Rating=50V, Automotive=No, Category=Cap, ComponentLink2Description=Datasheet, ComponentLink2URL=https://product.tdk.com/info/en/catalog/datasheets/mlcc_commercial_general_en.pdf, Device Class L1="Passive Components", Device Class L2=Capacitors, Device Class L3="Ceramic Capacitors", Digikey Description="CAP CER 4.7UF 50V X5R 0805", Height=1.45mm, Lead Free=Yes, Material=Ceramic, Mouser Description="Multilayer Ceramic Capacitors MLCC - SMD/SMT 0805 4.7uF 50volts X5R 10%", Octopart=https://octopart.com/c2012x5r1h475k125ab-tdk-25947720, RoHS=TRUE
C5 C6: library part CMP-2000-06207-1, "Aluminum Electrolytic Capacitor, 10 uF, +/- 20%, 50 V, 2-Pin SMD (Size Code D), -55 to 105 degC, RoHS, Tape and Reel", Capacitance=10µF, Case Size/Dimension=Ø6.3x5.8mm, Lifetime@Temperature=2000Hrs@105°C, Manufacturer=Panasonic, Operating Temp Range=-55to+105°C, Operating Temp-Max=105°C, Package Description="2-Pin Electrolytic Aluminum Capacitor, Body 6.6 x 6.6 mm", Package Reference=FK-V-D, Rated Voltage=50V, Ripple Current=165mA, Datasheet URL=http://industrial.panasonic.com/cdbs/www-data/pdf/RDE0000/ABA0000C1181.pdf, Datasheet Version=03/2016, Impedance=0.88O, Manufacturer URL=http://www.panasonic.com/, Mounting Technology=SurfaceMount, Package URL=http://industrial.panasonic.com/cdbs/www-data/pdf/RDE0000/DME0000COL48.pdf, Series=FK, Type=Can
C7: library part CMP-2007-03243-2, "CAP CER 10UF 10V X5R 0805", 3DS Part Number=220-00001, Capacitance=10uF, Manufacturer=Kemet, Manufacturer Part Number=C0805C106K8PACTU, Package=C0805C-DG, Temperature="-55°C to +85°C", Temperature Characteristic=X5R, Temperature Coefficient=15%, Temperature Range High=+85°C, Temperature Range Low=-55°C, Tolerance=10%, Voltage=10V, Automotive=No, Category=Cap, ComponentLink2Description=Datasheet, ComponentLink2URL=https://content.kemet.com/datasheets/KEM_C1006_X5R_SMD.pdf, Device Class L1="Passive Components", Device Class L2=Capacitors, Device Class L3="Ceramic Capacitors", Digikey Description="CAP CER 10UF 10V X5R 0805", Height=1.4mm, Ipc Land Pattern Name=CAPC200125X125, Lead Free=Yes, Material=Ceramic, Mouser Description="CAP CER 10UF 10V X5R 0805", Octopart=https://octopart.com/c0805c106k8pactu-kemet-98697, RoHS=TRUE, Voltage Rating=10V
C8: library part CMP-08246-002653-1, "Multilayer Ceramic Capacitors 10uF ±20% 50V X7R SMD 1210", Capacitance=10uF, Case Code (Imperial)=1210, Case Code (Metric)=3225, Dielectric=X7R, Dielectric Material=Ceramic, Max Operating Temperature=125°C, Min Operating Temperature=-55°C, Package Quantity=1000, Tolerance=20%, Voltage Rating=50V, Case/Package=1210, Height=2.5mm, Lead Free="Lead Free", Length=0.126inch, Mount="Surface Mount", Packaging="Tape and Reel", REACH SVHC="No SVHC", Series=C, Termination=SMD/SMT, Thickness=0.11inch, Voltage Rating (DC)=50V, Weight=0.000564oz, Width=0.098inch
C9: library part CMP-2000-07442-2, "Multilayer Ceramic Capacitors 47uF ±20% 16V X5R SMD 1206", Capacitance=47uF, Case Code (Imperial)=1206, Case Code (Metric)=3216, Dielectric=X5R, Dielectric Material=Ceramic, Max Operating Temperature=85°C, Min Operating Temperature=-55°C, Package Quantity=1, Tolerance=20%, Voltage Rating=16V, Case/Package=1206, Construction=Flat, Depth=1.6mm, Height=1.6mm, Lead Free="Lead Free", Length=3.2mm, Mount="Surface Mount", Packaging="Tape and Reel", Radiation Hardening=No, REACH SVHC="No SVHC", Resistor Type=Ceramic, RoHS Compliant=Yes, Series=C, Termination=SMD/SMT, Thickness=0.071inch, Voltage Rating (DC)=16V, Weight=0.000571oz, Width=0.063inch
C16: library part CMP-2000-06032-1, "Chip Capacitor, 1000 pF, +/- 10%, 2000 V, -55 to 125 degC, 1812 (4532 Metric), RoHS, Tape and Reel", Capacitance=1000pF, Manufacturer=Kemet, Operating Temperature=-55°C~125°C, Package / Case=1812(4532Metric), Package Description="2-Pin Surface Mount Device, Body 4.5 x 3.2 mm", Package Reference=1812, Ratings=-, Standard Package=1, Temperature Coefficient=X7R, Tolerance=±10%, Voltage - Rated=2000V(2kV), Applications=SMPSFiltering, Catalog Drawings=ACTU_1812, Category=Capacitors, Datasheet URL=http://capacitoredge.kemet.com/capedge2/DataSheet/Datasheet-C1812C102KGRACTU.pdf?pn=C1812C102KGRACTU, Datasheet Version=09/2016, Family=CeramicCapacitors, Features=HighVoltage, Height - Seated (Max)=-, Kits=399-5086-ND-KITCERHI-VOLTAGECAPS, Lead Spacing=-, Lead Style=-, Manufacturer URL=http://www.kemet.com/, Mounting Technology=SurfaceMount, Mounting Type=SurfaceMount,MLCC, Online Catalog=X7RDielectricHighVoltage, Other Names=399-3447-1, Packaging=CutTape(CT), Product Training Modules=CapacitorBasics-TypicalUsesforCapacitors, Series=C, Size / Dimension="0.177\"Lx0.126\"W(4.50mmx3.20mm)", Thickness (Max)="0.061\"(1.55mm)"